# Altium PCB 400503.PcbDoc (part 2 of 3)
Units mm, origin at the board's own origin, x right, y up, seen from the top; angles counter-clockwise.
Board outline 200 x 200 mm, 4 copper layers (Top Layer, Mid-Layer 1, Mid-Layer 2, Bottom Layer), stack 1.58 mm thick; 164 components, 71 nets, 445 pads, 598 vias.
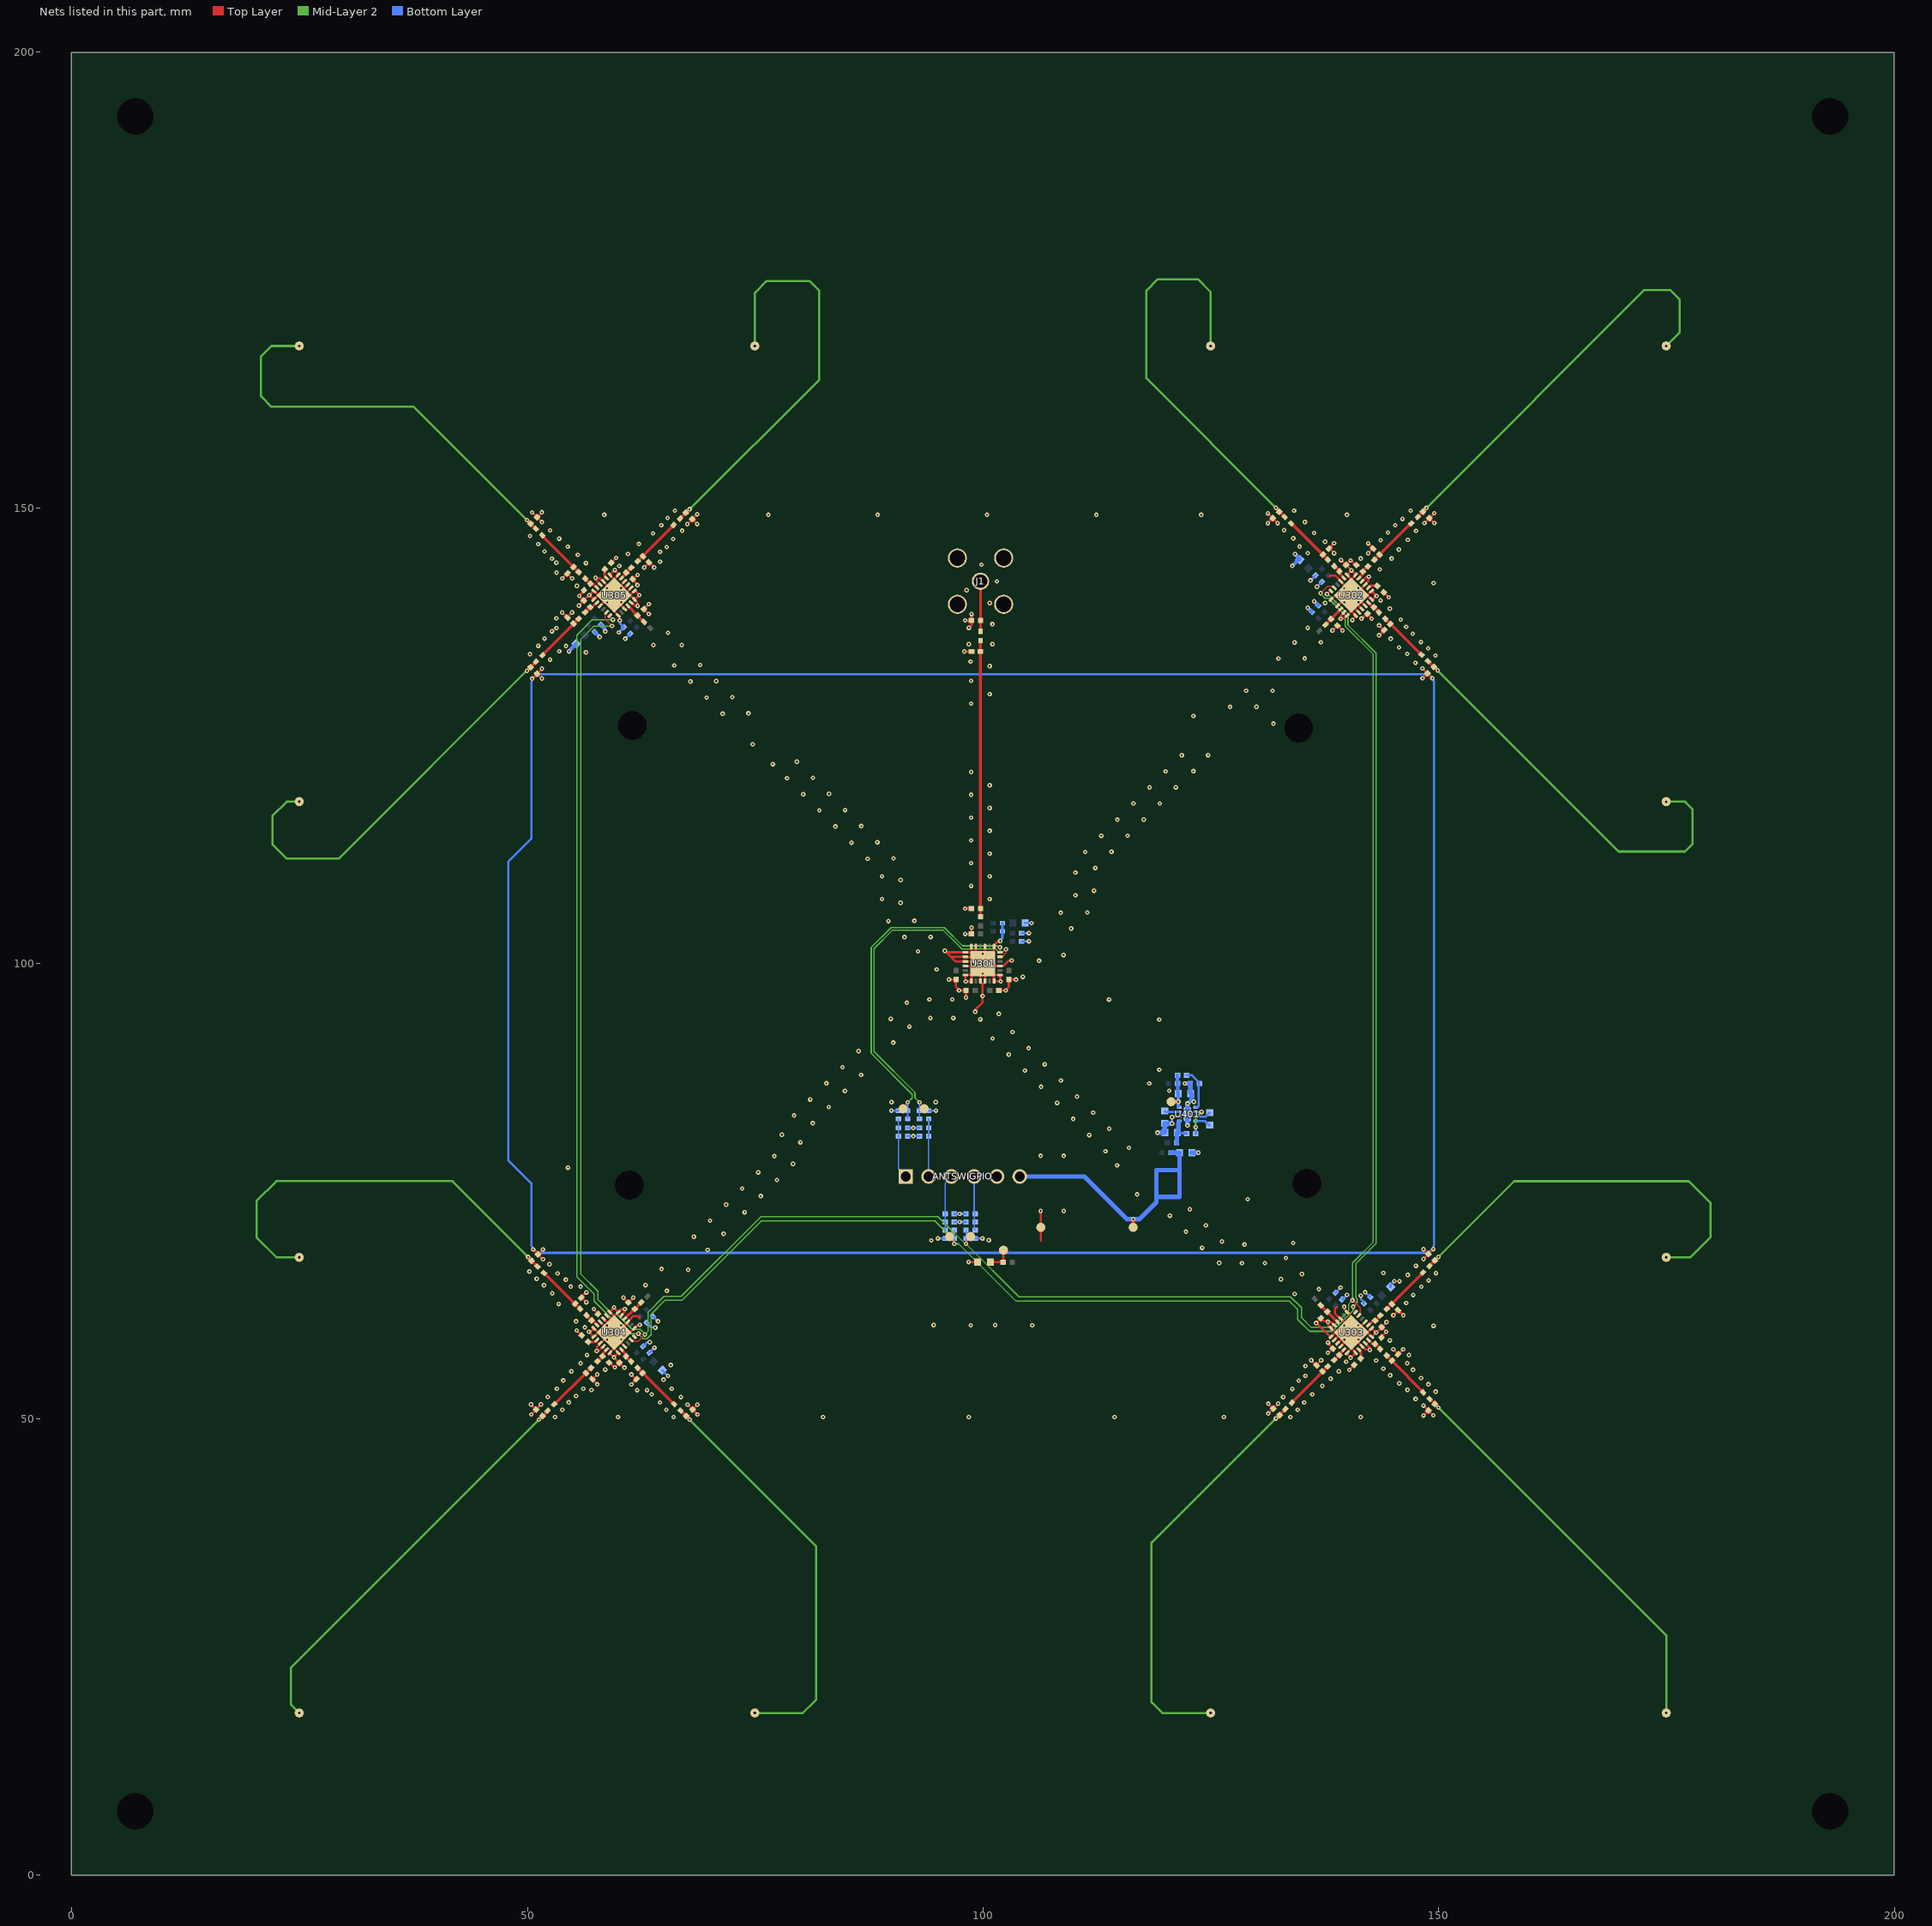
[diagram p4: the nets of this part, all layers, seen from the top]

## Via types
v1: diameter 0.5, hole 0.2, Top Layer to Bottom Layer, tented both sides, 561 vias
v2: diameter 0.5, hole 0.2, Top Layer to Bottom Layer, 25 vias
v3: diameter 0.6, hole 0.3, Top Layer to Bottom Layer, tented both sides, 12 vias

## Nets (pads, with @x,y where several pads share a name; then routed paths per layer and width w, separated by ;. In a path a pad name is that pad's centre, name@x,y a point inside that pad or via, vN(x,y) a via of type N, cw(c..) or ccw(c..) an arc to the next point about the centre after c; other vN are vias at no path point) (continued)
GND: ANTSWIGPIO.5 C301.1 C302.1 C303.1 C304.1 C305.1 C306.1 C307.1 C308.1 C309.1 C310.1 C311.1 C312.1 C313.1 C314.1 C315.1 C316.1 C317.1 C318.1 C319.1 C320.1 C321.1 C322.1 C323.1 C324.1 C325.1 C326.1 C327.1 C328.1 C329.1 C401.1 C403.1 C404.1 C501.1 J1.2 J1.3 J1.4 J1.5 L305.1 L306.1 L307.1 L308.1 L309.1 L310.1 L311.1 L312.1 L313.1 L314.1 L315.1 L316.1 L501.1 LED401.1 R302.1 R305.1 R308.1 R311.1 R314.1 R317.1 R320.1 R323.1 R326.1 R329.1 R332.1 R335.1 R337.2 R338.2 R339.2 R340.2 R341.1 R342.1 R343.1 R344.1 R345.1 R346.1 R347.1 R348.1 R404.1 R501.1 R502.1 R503.1 R504.1 R506.1 R507.1 TP502.1 U301.1 U301.2 U301.3 U301.4 U301.6 U301.7 U301.9 U301.10 U301.12 U301.13 U301.15 U301.19 U301.21 U301.23 U301.24 U301.25 U302.1 U302.2 U302.3 U302.4 U302.6 U302.7 U302.9 U302.10 U302.12 U302.13 U302.15 U302.19 U302.21 U302.23 U302.24 U302.25 U303.1 U303.2 U303.3 U303.4 U303.6 U303.7 U303.9 U303.10 U303.12 U303.13 U303.15 U303.19 U303.21 U303.23 U303.24 U303.25 U304.1 U304.2 U304.3 U304.4 U304.6 U304.7 U304.9 U304.10 U304.12 U304.13 U304.15 U304.19 U304.21 U304.23 U304.24 U304.25 U305.1 U305.2 U305.3 U305.4 U305.6 U305.7 U305.9 U305.10 U305.12 U305.13 U305.15 U305.19 U305.21 U305.23 U305.24 U305.25 U401.2 U401.9 V301.2 V302.2 V303.2 V304.2 V305.2 V306.2 V307.2 V308.2 V309.2 V310.2 V311.2 V312.2 V501.2 V502.2 V503.2 V504.2 V505.2 | length 640.3
  Top Layer w0.25: v1(50.39,51.616) 50.932,51.075 v1@51.473,51.616 ; v1(50.409,50.515) V308.2@50.95,51.057 ; v1@50.509,131.266 V310.2@51.05,131.807 ; v1@50.517,149.511 V311.2@51.057,148.97 ; v1@50.623,68.628 V309.2@51.164,68.087 ; v1(51.592,131.266) V310.2@51.05,131.807 ; v1@51.591,132.348 V310.2@51.05,131.807 ; v1@51.598,148.429 V311.2@51.057,148.97 ; v1(51.598,149.512) V311.2@51.057,148.97 ; v1@51.705,67.546 V309.2@51.164,68.087 ; v1(51.705,68.629) V309.2@51.164,68.087 ; v1@53.814,138.517 L314.1@54.355,137.976 ; v1(53.822,142.258) L315.1@54.363,142.8 ; L314.1@54.356,137.978 v1(54.897,138.519) ; L315.1@54.364,142.801 v1@54.905,142.259 ; v1@55.411,59.735 R339.2@55.952,59.194 ; v1(55.654,139.272) R329.1@56.194,139.815 ; L313.1@55.919,63.368 v1@56.46,63.909 ; L313.1@55.92,63.367 v1(56.462,62.826) ; R332.1@56.202,140.962 56.202,140.904 55.682,140.385 v1(55.682,140.327) R329.1@56.194,139.815 56.194,139.842 v1(56.782,140.43) v1@56.809,140.43 ; v1(56.736,59.587) 56.743,59.594 56.907,59.594 U304.6@57.279,59.966 57.314,59.966 U304.25@57.774,59.506 ; v1(56.736,59.587) U304.7@57.277,59.046 ; L312.1@57.12,54.363 v1@57.661,53.822 ; L312.1@57.12,54.364 v1@57.661,54.905 ; U304.7@57.279,59.046 57.314,59.046 U304.25@57.774,59.506 ; v1(57.289,62.082) 57.289,62.04 57.75,61.579 R326.1@57.75,61.536 R326.1@57.808,61.536 ; v1(57.482,142.326) v1@57.53,142.278 ; v1(57.594,57.482) v1@57.642,57.53 ; U304.4@57.986,60.673 U304.25@59.152,59.506 ; U305.15@57.986,139.247 U305.25@59.152,140.414 ; U305.10@57.986,141.581 57.986,141.616 57.53,142.072 v1@57.53,142.278 ; U304.10@58.339,57.986 58.304,57.986 57.848,57.53 v1@57.642,57.53 ; U304.3@58.339,61.026 U304.25@59.506,59.859 ; U304.2@58.693,61.38 U304.25@59.506,60.567 ; v2(58.726,60.277) 58.735,60.277 v2(59.506,59.506) ; v2(58.726,141.185) 58.735,141.185 v2(59.506,140.414) ; v2(58.735,58.726) 58.735,58.735 v2(59.506,59.506) ; v2(58.735,139.634) 58.735,139.643 v2(59.506,140.414) ; R323.1@58.958,56.202 59.016,56.202 59.535,55.682 v1(59.593,55.682) R320.1@60.105,56.194 60.078,56.194 v1(59.49,56.782) v1@59.49,56.809 ; U305.7@59.046,142.641 59.046,142.606 U305.25@59.506,142.146 ; U305.7@59.046,142.643 59.587,143.183 59.587,143.117 59.996,142.708 59.996,142.672 U305.6@59.966,142.641 59.966,142.606 U305.25@59.506,142.146 ; R340.2@59.194,143.967 v1@59.735,144.509 ; v1(59.49,62.282) v1@59.49,62.23 ; U304.24@59.966,61.733 59.966,61.769 59.506,62.23 v1@59.49,62.23 ; R320.1@60.105,56.194 v1(60.648,55.654) ; v1(60.13,137.638) 60.13,137.705 60.072,137.764 60.072,138.081 U305.19@59.966,138.187 59.966,138.222 59.506,138.682 U305.25@59.506,140.061 ; v2(60.277,60.286) 60.277,60.277 v2(59.506,59.506) ; v2(60.277,141.194) 60.277,141.185 v2(59.506,140.414) ; v2(60.286,58.735) 60.277,58.735 v2(59.506,59.506) ; v2(60.286,139.643) 60.277,139.643 v2(59.506,140.414) ; U304.23@60.319,61.38 60.319,61.415 60.642,61.738 v1@60.642,62.034 ; v1@60.535,63.331 R346.1@61.076,62.791 ; U304.15@60.673,57.986 U304.25@59.506,59.152 ; U305.4@60.673,141.934 U305.25@59.506,140.768 ; v1(60.69,62.082) v1@60.642,62.034 ; U305.21@60.706,138.894 U305.21@60.673,138.894 U305.25@59.506,140.061 ; U305.3@61.026,141.581 U305.25@59.859,140.414 ; R346.1@61.076,62.791 v1(61.617,63.333) ; U305.23@61.38,139.601 61.415,139.601 61.738,139.278 v1@62.034,139.278 ; U305.2@61.38,141.227 U305.25@60.567,140.414 ; v1(61.401,54.897) L311.1@61.942,54.356 ; v1@61.403,53.814 L311.1@61.944,54.355 ; v1(62.074,141.517) 62.074,141.574 61.536,142.112 R335.1@61.536,142.17 61.579,142.17 62.04,142.631 v1(62.082,142.631) ; v1(62.082,139.23) v1@62.034,139.278 ; 62.313,61.075 62.076,61.311 61.631,61.311 61.026,60.706 U304.21@61.026,60.673 U304.25@59.859,59.506 ; v1(62.33,60.338) 62.282,60.29 62.093,60.29 61.769,59.966 U304.19@61.733,59.966 61.698,59.966 61.238,59.506 U304.25@59.859,59.506 ; R348.1@62.784,138.891 v1(63.323,139.434) ; R348.1@62.784,138.891 v1(63.324,138.35) ; v1@62.826,143.459 L316.1@63.367,144 ; L316.1@63.368,144.001 v1@63.909,143.46 ; v1(67.546,148.214) V312.2@68.087,148.756 ; v1(67.571,51.591) V307.2@68.113,51.05 ; v1(68.629,148.215) V312.2@68.087,148.756 ; v1@68.628,149.297 V312.2@68.087,148.756 ; v1@68.654,50.509 V307.2@68.113,51.05 ; v1@68.654,51.591 V307.2@68.113,51.05 ; v1(95.795,101.4) v1@95.967,101.228 ; v1(96.258,98.239) 96.261,98.239 96.262,98.238 R347.1@97.03,98.238 97.03,97.435 97.358,97.107 v1(97.358,97.039) 97.361,97.039 97.362,97.038 R345.1@98.13,97.038 98.13,96.27 98.128,96.268 v1(98.128,96.266) ; v1(97.93,134.238) L501.1@98.755,134.238 ; v1(98.03,103.238) R507.1@98.73,103.238 v1(98.73,103.938) ; v1(98.03,106.038) R506.1@98.73,106.038 ; v1(98.03,137.638) V505.2@98.73,137.638 ; U301.4@98.06,99.728 U301.25@98.863,99.728 ; v1(98.401,67.246) LED401.1@99.413,67.246 ; v1(98.43,136.838) 98.73,137.138 V505.2@98.73,137.638 ; U301.24@98.71,101.878 98.718,101.87 U301.25@98.718,101.22 ; v1(98.73,138.338) V505.2@98.73,137.638 ; v2(98.863,99.971) 98.87,99.978 v2(99.96,99.978) ; v1(99.134,94.702) 99.134,94.901 99.946,95.713 v1(99.946,96.438) 99.946,97.692 ; U301.23@99.21,101.878 U301.25@99.21,100.728 ; v2(99.967,98.881) 99.96,98.888 v2(99.96,99.978) ; v2(99.967,101.063) 99.96,101.056 v2(99.96,99.978) ; U301.25@100.21,98.881 U301.10@100.21,98.078 100.21,97.928 99.974,97.692 99.946,97.692 ; U301.21@100.21,101.878 100.21,100.228 101.202,101.22 101.202,101.51 101.213,101.521 101.213,101.875 U301.19@101.21,101.878 101.21,102.028 101.503,102.32 101.692,102.32 101.852,102.479 v1(101.88,102.479) ; v2(101.057,99.984) 101.05,99.978 v2(99.96,99.978) ; R343.1@101.73,97.038 102.498,97.038 102.499,97.036 v1(102.502,97.036) 102.502,97.104 102.83,97.432 R341.1@102.83,98.238 103.598,98.238 103.599,98.236 v1(103.602,98.236) ; v1(101.93,98.038) v1@101.895,98.073 ; v1(103.13,100.338) 103.082,100.29 102.783,100.29 102.246,99.753 101.885,99.753 U301.15@101.86,99.728 100.21,99.728 U301.25@101.185,98.753 ; v1(106.31,72.838) 106.32,72.828 106.32,71.048 TP502.1@106.33,71.038 106.336,71.032 106.336,69.62 106.342,69.615 ; v1(131.248,148.31) V301.2@131.789,148.852 ; v1@131.248,149.393 V301.2@131.789,148.852 ; v1(131.292,50.622) V306.2@131.833,51.164 ; v1(131.291,51.705) V306.2@131.833,51.164 ; v1(132.331,148.311) V301.2@131.789,148.852 ; v1@132.374,51.705 V306.2@131.833,51.164 ; v1@136.011,56.46 L310.1@136.552,55.919 ; L310.1@136.553,55.92 v1(137.094,56.462) ; v1(137.838,57.289) 137.88,57.289 138.341,57.75 R317.1@138.384,57.75 138.384,57.808 137.846,58.346 v1(137.846,58.403) ; L305.1@137.976,145.564 137.979,145.564 v1(138.519,145.023) ; L305.1@137.976,145.565 v1(138.517,146.107) ; 138.039,142.478 138.134,142.573 138.644,142.573 138.952,142.265 139.247,141.97 U302.15@139.247,141.934 U302.25@140.414,140.768 ; U302.19@138.187,139.954 138.222,139.954 138.682,140.414 U302.25@140.061,140.414 ; v1@138.342,136.542 138.882,137.083 v1(139.425,136.543) ; U303.2@138.54,58.693 U303.25@139.353,59.506 ; U303.23@138.54,60.319 138.505,60.319 138.182,60.642 v1@137.886,60.642 ; 138.845,62.313 138.609,62.076 138.609,61.631 139.214,61.026 U303.21@139.247,61.026 U303.25@140.414,59.859 ; U303.3@138.894,58.339 U303.25@140.06,59.506 ; U302.21@138.894,139.214 U302.21@138.894,139.247 U302.25@140.061,140.414 ; v1(139.23,137.838) v1@139.278,137.886 ; U303.4@139.247,57.986 U303.25@140.414,59.152 ; v1(139.272,144.266) R302.1@139.815,143.726 ; U302.23@139.601,138.54 139.601,138.505 139.278,138.182 v1@139.278,137.886 ; v1(139.63,62.338) 139.678,62.29 139.678,62.045 139.954,61.769 U303.19@139.954,61.733 139.954,61.698 140.414,61.238 U303.25@140.414,59.859 ; v2(139.634,60.277) 139.643,60.277 U303.25@140.414,59.506 ; v2(139.634,141.185) 139.643,141.185 v2(140.414,140.414) ; v2(139.643,58.725) 139.643,58.735 140.298,59.39 v2(140.53,59.39) ; v2(139.643,139.634) 139.643,139.643 v2(140.414,140.414) ; U302.24@139.954,138.187 U302.24@139.919,138.187 ; U303.25@140.176,59.39 U303.25@140.06,59.506 ; v1(140.185,55.41) R338.2@140.726,55.952 ; v1(140.519,137.68) 140.519,137.747 140.898,138.127 140.898,138.162 U302.1@140.874,138.187 140.874,138.222 U302.25@140.414,138.682 ; U303.7@140.874,57.277 v1(140.333,56.736) 140.333,56.803 139.924,57.212 139.924,57.248 U303.6@139.954,57.279 139.954,57.314 U303.25@140.414,57.774 ; U303.7@140.874,57.279 140.874,57.314 U303.25@140.414,57.774 ; R305.1@140.962,143.718 140.904,143.718 140.385,144.238 v1(140.327,144.238) R302.1@139.815,143.726 139.842,143.726 v1(140.43,143.138) v1@140.43,143.111 ; v2(141.185,60.286) 141.185,60.277 U303.25@140.53,59.622 ; v2(141.185,141.194) 141.185,141.185 v2(140.414,140.414) ; v2(141.194,58.735) 141.185,58.735 v2(140.53,59.39) ; v2(141.194,139.643) 141.185,139.643 v2(140.414,140.414) ; U302.2@141.227,138.54 U302.25@140.414,139.353 ; v1(141.517,137.846) 141.574,137.846 142.112,138.384 R308.1@142.17,138.384 142.17,138.341 142.631,137.88 v1(142.631,137.838) ; U302.3@141.581,138.894 U302.25@140.414,140.061 ; U302.10@141.581,141.934 141.616,141.934 142.072,142.39 v1@142.278,142.39 ; U303.10@141.934,58.339 141.934,58.304 142.39,57.848 v1@142.39,57.642 ; U303.15@141.934,60.673 U303.25@140.768,59.506 ; U302.4@141.934,139.247 U302.25@140.768,140.414 ; v1(142.258,146.098) 142.799,145.557 L306.1@142.801,145.557 ; v1(142.259,145.014) L306.1@142.801,145.556 ; v1(142.326,142.438) v1@142.278,142.39 ; v1(142.438,57.594) v1@142.39,57.642 ; U302.7@142.641,140.874 142.606,140.874 U302.25@142.146,140.414 ; U302.7@142.643,140.874 143.117,140.399 v1@143.117,140.333 ; v1(143.184,140.333) v1@143.117,140.333 ; v1(143.458,137.094) L307.1@144,136.553 ; v1@143.46,136.011 L307.1@144.001,136.552 ; R314.1@143.718,58.958 143.718,59.016 144.238,59.535 v1(144.238,59.593) R311.1@143.726,60.105 143.726,60.078 v1(143.138,59.49) v1@143.111,59.49 ; R311.1@143.726,60.106 v1(144.266,60.648) ; R337.2@143.968,140.726 v1@144.509,140.185 ; v1@145.015,57.661 L309.1@145.556,57.12 ; v1(145.023,61.401) L308.1@145.564,61.942 ; L309.1@145.557,57.12 v1@146.098,57.661 ; L308.1@145.565,61.944 v1@146.106,61.403 ; v1@148.215,131.292 V303.2@148.756,131.833 ; v1@148.215,132.374 V303.2@148.756,131.833 ; v1(148.322,50.408) V305.2@148.863,50.95 ; v1@148.322,51.491 V305.2@148.863,50.95 ; v1(148.329,67.571) V304.2@148.87,68.113 ; v1(148.328,68.654) V304.2@148.87,68.113 ; v1(148.429,148.321) V302.2@148.97,148.863 ; v1@149.297,131.292 V303.2@148.756,131.833 ; v1@149.403,50.409 V305.2@148.863,50.95 ; v1@149.411,68.654 V304.2@148.87,68.113 ; v1(149.512,148.322) V302.2@148.97,148.863 ; v1@149.511,149.403 V302.2@148.97,148.863 ; v1@56.809,140.43 56.809,140.414 57.268,139.954 U305.13@57.279,139.954 57.314,139.954 U305.25@57.774,140.414 ; v1@56.809,140.43 57.252,140.874 U305.12@57.279,140.874 57.314,140.874 U305.25@57.774,140.414 ; v1@57.53,142.278 57.96,142.278 58.304,141.934 U305.9@58.339,141.934 U305.25@59.506,140.768 ; v1@57.642,57.53 57.642,57.96 57.986,58.304 U304.9@57.986,58.339 U304.25@59.152,59.506 ; U304.25@57.774,59.506 U304.25@59.152,59.506 ; U305.25@57.774,140.414 U305.25@59.152,140.414 ; U304.25@59.152,59.506 v2(59.506,59.506) ; U305.25@59.152,140.414 v2(59.506,140.414) ; v1@59.49,56.809 59.506,56.809 59.966,57.268 U304.13@59.966,57.279 59.966,57.314 U304.25@59.506,57.774 ; v1@59.49,56.809 59.046,57.252 U304.12@59.046,57.279 59.046,57.314 U304.25@59.506,57.774 ; v1@59.49,62.23 59.038,61.777 59.038,61.742 U304.1@59.046,61.733 59.046,61.698 U304.25@59.506,61.238 ; U304.25@59.506,57.774 U304.25@59.506,59.152 ; U304.25@59.506,59.152 v2(59.506,59.506) ; v2(59.506,59.506) U304.25@59.506,59.859 ; v2(59.506,59.506) U304.25@59.859,59.506 ; U304.25@59.506,59.859 U304.25@59.506,60.567 ; U304.25@59.506,60.567 U304.25@59.506,61.238 ; U304.25@59.506,61.238 59.966,61.698 U304.24@59.966,61.733 60.001,61.733 60.302,62.034 v1@60.642,62.034 ; U305.25@59.506,140.061 v2(59.506,140.414) ; v2(59.506,140.414) U305.25@59.859,140.414 ; v2(59.506,140.414) U305.25@59.506,140.768 ; U305.25@59.506,140.768 U305.25@59.506,142.146 ; U305.25@59.859,140.414 U305.25@60.567,140.414 ; U305.25@60.567,140.414 U305.25@61.238,140.414 ; U305.25@61.238,140.414 61.698,139.954 U305.24@61.733,139.954 ; U305.25@61.238,140.414 61.698,140.874 U305.1@61.733,140.874 61.839,140.874 v1(62.282,140.43) 61.807,139.954 U305.24@61.733,139.954 ; U305.24@61.733,139.954 61.733,139.919 62.034,139.618 v1@62.034,139.278 ; v1@95.967,101.228 96.467,100.728 ; v1@95.967,101.228 U301.1@98.06,101.228 98.46,101.228 98.468,101.22 U301.25@98.718,101.22 ; 96.467,100.728 96.967,100.228 U301.3@98.06,100.228 99.71,100.228 U301.25@99.218,100.72 ; 96.467,100.728 U301.2@98.06,100.728 98.068,100.72 U301.25@99.218,100.72 ; U301.25@98.718,101.22 U301.25@99.21,100.728 ; U301.25@98.735,98.753 U301.25@99.71,99.728 ; U301.25@98.735,98.753 98.085,98.753 U301.6@98.06,98.728 98.056,98.723 98.056,97.982 v1(98.099,98.025) 98.685,98.025 98.71,98.05 U301.7@98.71,98.078 98.735,98.103 U301.25@98.735,98.753 ; U301.25@99.21,100.728 U301.25@99.218,100.72 ; U301.25@99.71,99.728 U301.9@99.71,98.078 99.71,97.928 99.946,97.692 ; U301.25@99.71,99.728 v2(99.96,99.978) ; U301.25@101.185,98.753 101.185,98.103 U301.12@101.21,98.078 101.23,98.058 101.88,98.058 v1@101.895,98.073 ; U301.25@101.185,98.753 101.835,98.753 U301.13@101.86,98.728 101.87,98.728 101.895,98.703 v1@101.895,98.073 ; v1@137.886,60.642 v1(137.838,60.69) 137.79,60.738 137.403,60.738 137.076,61.064 R344.1@137.076,61.084 v1(136.536,60.542) 136.602,60.543 138.125,59.02 138.161,59.02 U303.1@138.187,59.046 138.222,59.046 U303.25@138.682,59.506 ; v1@137.886,60.642 137.886,60.302 138.187,60.001 U303.24@138.187,59.966 138.222,59.966 U303.25@138.682,59.506 ; U303.25@138.682,59.506 U303.25@139.353,59.506 ; v1@139.278,137.886 139.618,137.886 U302.24@139.919,138.187 ; U303.25@139.353,59.506 U303.25@140.06,59.506 ; U302.24@139.919,138.187 U302.25@140.414,138.682 ; U303.25@140.06,59.506 U303.25@140.414,59.506 ; U302.25@140.061,140.414 v2(140.414,140.414) ; U303.25@140.414,57.774 U303.25@140.414,59.152 ; U303.25@140.414,59.152 U303.9@141.581,57.986 141.616,57.986 141.96,57.642 v1@142.39,57.642 ; U303.25@140.414,59.152 140.53,59.268 v2(140.53,59.39) ; U303.25@140.414,59.506 U303.25@140.53,59.506 ; U303.25@140.414,59.506 v2(140.53,59.39) ; U303.25@140.414,59.859 140.53,59.744 U303.25@140.53,59.622 ; U302.25@140.414,138.682 U302.25@140.414,139.353 ; U302.25@140.414,139.353 U302.25@140.414,140.061 ; U302.25@140.414,140.061 v2(140.414,140.414) ; v2(140.414,140.414) U302.25@140.768,140.414 ; v2(140.414,140.414) U302.25@140.414,140.768 ; U302.25@140.414,140.768 U302.25@140.414,142.146 ; U302.25@140.414,142.146 140.874,142.606 U302.12@140.874,142.641 140.874,142.668 v1@140.43,143.111 ; U302.25@140.414,142.146 139.954,142.606 U302.13@139.954,142.641 139.954,142.652 140.414,143.111 v1@140.43,143.111 ; v2(140.53,59.39) U303.25@140.53,59.506 ; v2(140.53,59.39) 140.652,59.39 U303.25@140.768,59.506 ; U303.25@140.53,59.506 U303.25@140.53,59.622 ; U303.25@140.53,59.506 U303.25@140.768,59.506 ; U303.25@140.768,59.506 U303.25@142.146,59.506 ; U302.25@140.768,140.414 U302.9@141.934,141.581 141.934,141.616 142.278,141.96 v1@142.278,142.39 ; U302.25@140.768,140.414 U302.25@142.146,140.414 ; U303.25@142.146,59.506 142.606,59.046 U303.12@142.641,59.046 142.668,59.046 v1@143.111,59.49 ; U303.25@142.146,59.506 142.606,59.966 U303.13@142.641,59.966 142.652,59.966 143.111,59.506 v1@143.111,59.49 ; U302.25@142.146,140.414 142.606,139.954 U302.6@142.641,139.954 142.672,139.924 142.708,139.924 v1@143.117,140.333
  Bottom Layer w0.25: v1(60.03,136.338) C325.1@60.576,136.884 60.576,136.891 60.149,137.319 60.149,137.619 v1(60.13,137.638) ; v1(60.73,135.638) C315.1@61.276,136.184 ; C322.1@62.684,57.991 63.13,58.438 v1(63.43,58.438) ; C323.1@63.084,60.584 63.582,60.086 63.982,60.086 v1(64.03,60.038) ; C311.1@63.384,57.291 v1(63.93,57.838) ; C312.1@63.784,61.27 63.797,61.27 v1(64.33,60.738) ; C310.1@64.807,55.36 v1(65.43,54.738) ; v1(89.93,83.858) C326.1@90.73,83.858 ; V504.2@91.73,81.058 v1(92.33,81.058) V503.2@93.03,81.058 ; R504.1@91.73,81.958 v1(92.33,81.958) R503.1@93.03,81.958 ; C327.1@94.03,83.858 v1(94.83,83.858) ; v1(95.03,69.838) C328.1@95.83,69.838 ; R502.1@96.83,71.638 v1(97.43,71.638) R501.1@98.13,71.638 ; V502.2@96.83,72.538 v1(97.43,72.538) V501.2@98.13,72.538 ; C329.1@99.13,69.838 v1(99.93,69.838) ; v1(101.88,102.479) 101.88,102.547 102.13,102.797 C321.1@102.13,103.538 C303.1@102.13,104.438 ; C320.1@104.23,102.438 v1(105.03,102.438) ; C302.1@104.23,103.338 v1(105.03,103.338) ; C301.1@104.605,104.438 v1(105.33,104.438) ; v1@106.28,72.868 v1(106.31,72.838) ; v1@106.28,78.862 v1(106.31,78.892) ; v1(120.73,82.438) v1(120.73,83.138) 120.798,83.138 120.878,83.218 U401.2@121.525,83.218 ; v1(135.93,142.038) C305.1@136.476,142.584 ; v1(136.63,141.338) C316.1@137.176,141.884 ; C309.1@138.684,63.891 v1(139.23,64.438) ; C319.1@139.391,63.144 139.436,63.144 v1(139.93,63.638) ; v1(141.43,63.538) 141.478,63.49 141.478,63.167 141.776,62.868 C318.1@141.776,62.691 ; v1(141.93,63.938) C308.1@142.476,63.391 ; C307.1@144.707,64.515 144.707,64.715 v1(145.13,65.138)
  Bottom Layer w0.254: 47.89,78.405 50.43,75.865 50.43,69.261 ccw(c51.433,69.248) 51.421,68.245 148.474,68.245 ccw(c148.474,69.261) 149.49,69.261 149.49,130.754 ccw(c148.487,130.742) 148.474,131.745 51.446,131.745 ccw(c51.446,130.729) 50.43,130.729 50.43,113.711 47.89,111.171 47.89,78.405
  Bottom Layer w0.4: v1@54.536,134.261 C313.1@55.353,135.078 ; C314.1@57.384,136.384 v1(57.93,135.838) ; C324.1@58.084,137.184 58.084,137.113 58.511,136.686 58.511,136.457 v1(58.53,136.438) ; v1(133.93,143.638) 134.607,144.315 C304.1@134.753,144.315 134.753,144.388 134.23,144.911 v1(134.23,144.938) ; v1(135.63,139.038) C306.1@136.076,138.591 ; v1(136.33,139.738) C317.1@136.776,139.291
  Bottom Layer w0.5: v1(119.13,81.438) C401.1@119.955,81.438 119.943,81.45 119.943,82.4 C403.1@119.98,82.438 ; C403.1@119.93,82.463 119.955,82.438 C403.1@119.98,82.438 ; v1(120.73,82.438) C403.1@119.98,82.438 ; v1(122.13,86.838) R404.1@122.73,86.838 122.753,86.815 122.753,85.76 C404.1@122.775,85.738 122.9,85.613 122.9,85.068 ; v1(122.43,82.238) 122.43,83.458 U401.9@122.42,83.468 122.43,83.478 v1(122.43,84.638) 122.47,84.638 122.9,85.068 ; C501.1@122.905,79.238 v1(123.63,79.238) ; v1(123.13,84.838) 122.9,85.068